# KiCad board 8851_HW-U1-VCU118_REV2-0_071417.kicad_pcb (continued)
## Routing (per net, layer and track width the routed paths; a pad name or vN(x,y) marks a point on that pad's centre or on a via; arc(x,y) is an arc through that point) (continued)
  03_SIG1 w0.107: v2(127.2,84.49) 127.2,84.21 arc(127.17,84.13) 127.09,84.1 126.97,84.1 arc(126.92,84.11) 126.89,84.13 126.84,84.18 arc(127.02,84.3) 126.81,84.26 126.81,87.65 arc(126.79,87.83) 126.72,88 126.46,88.25 arc(126.95,88.57) 126.38,88.46
  03_SIG1 w0.15: 126.38,88.46 125.47,89.37 arc(125.26,89.68) 125.19,90.04 125.19,95.31 arc(125.28,95.54) 125.51,95.63 125.82,95.63 arc(126.22,95.79) 126.38,96.19 126.38,96.29 arc(126.19,96.75) 125.73,96.94 125.51,96.94 arc(125.73,97.49) 125.19,97.26 125.19,98.27 arc(125.31,98.86) 125.65,99.37 125.65,99.37 arc(125.8,99.59) 125.85,99.85 125.85,101.68 arc(125.8,101.94) 125.65,102.17 125.5,102.31 arc(125.25,102.48) 124.95,102.54 124.77,102.54 arc(124.64,102.56) 124.53,102.64 arc(125.81,103.49) 124.3,103.19 124.3,104.19 arc(124.11,104.65) 123.64,104.84 122.89,104.84 arc(123.21,105.16) 122.89,105.48 123.64,105.48 arc(124.12,105.68) 124.32,106.15 124.32,108.95 arc(124.12,109.43) 123.64,109.63 123.44,109.63 arc(123.66,110.14) 123.14,109.93 123.14,110.01 arc(123.22,110.19) 123.4,110.27 123.94,110.27 arc(124.6,110.92) 123.94,111.58 123.44,111.58 arc(123.66,112.1) 123.14,111.88 123.14,111.96 arc(123.22,112.14) 123.4,112.22 123.95,112.22 arc(124.61,112.87) 123.95,113.53 123.46,113.53 arc(123.69,114.07) 123.14,113.85 123.14,113.89 arc(123.22,114.09) 123.41,114.17 123.95,114.17 arc(124.61,114.82) 123.95,115.48 123.44,115.48 arc(123.65,115.99) 123.14,115.78 123.14,115.86 arc(123.21,116.04) 123.39,116.12 123.95,116.12 arc(124.61,116.77) 123.95,117.43 122.8,117.43 arc(122.95,117.77) 122.6,117.63 122.6,117.86 arc(122.66,118.01) 122.8,118.07 123.95,118.07 arc(124.61,118.72) 123.95,119.38 122.78,119.38 arc(122.94,119.76) 122.56,119.6 122.56,119.79 arc(122.63,119.95) 122.78,120.02 123.95,120.02 arc(124.61,120.67) 123.95,121.33 123.36,121.33 arc(123.61,121.93) 123.01,121.68 arc(123.1,121.88) 123.3,121.97 123.95,121.97 arc(124.61,122.62) 123.95,123.28 123.47,123.28 arc(123.68,123.79) 123.17,123.58 123.17,123.64 arc(123.25,123.83) 123.44,123.92 123.64,123.92 arc(124.11,124.11) 124.3,124.57 124.3,124.73 arc(124.21,125.19) 123.94,125.59 123.67,125.86 arc(123.52,126.09) 123.47,126.35 123.47,132.74 arc(123.31,133.52) 122.86,134.19 121.77,135.28 arc(123.65,136.54) 121.43,136.1 121.43,136.75 arc(121.32,137.33) 120.99,137.82 118.81,140 arc(122.15,142.24) 118.21,141.45 118.21,141.89 arc(118.08,142.51) 117.73,143.03 117.05,143.72 arc(116.16,144.32) 115.11,144.52 115,144.52 arc(114.69,144.59) 114.43,144.76 114.37,144.82 arc(115.86,145.82) 114.1,145.47 114.1,145.93 arc(113.98,146.51) 113.65,147.01 arc(112.71,147.64) 111.6,147.86 102.49,147.86 arc(102.06,147.94) 101.7,148.19 arc(100.82,148.77) 99.78,148.98 99.43,148.98 arc(98.97,148.79) 98.78,148.32 98.78,148.03 arc(98.72,147.89) 98.58,147.83 98.46,147.83 arc(98.68,148.38) 98.14,148.15 98.14,148.32 arc(97.48,148.98) 96.83,148.32 96.83,148.03 arc(96.77,147.89) 96.63,147.83 96.51,147.83 arc(96.73,148.38) 96.19,148.15 96.19,148.32 arc(95.53,148.98) 94.88,148.32 94.88,148.03 arc(94.82,147.89) 94.68,147.83 94.56,147.83 arc(94.78,148.38) 94.24,148.15 94.24,148.32 arc(94.05,148.79) 93.58,148.98 93.03,148.98 arc(92.85,149.01) 92.71,149.11 arc(91.33,150.03) 89.72,150.35 82.15,150.35 arc(81.56,150.47) 81.06,150.8 80.13,151.73 arc(79.89,152.09) 79.81,152.5 79.81,155.86 arc(79.61,156.36) 79.11,156.56 78.51,156.56 arc(78.13,156.41) 77.98,156.03 77.98,155.98 arc(77.91,155.82) v3(77.75,155.75)
FMCP_HSPC_DP1_C2M_P: length 215.9
  TOP w0.102: J22.A22 v3(79,155.75)
  TOP w0.113: v2(127.2,83.51) 126.71,83.01
  03_SIG1 w0.107: v2(127.2,83.51) 127.2,83.79 arc(127.17,83.87) 127.09,83.9 126.97,83.9 arc(126.85,83.92) 126.75,83.99 126.7,84.04 arc(127.2,84.37) 126.61,84.26 126.61,87.66 126.61,87.66 arc(126.6,87.77) 126.56,87.87 126.32,88.11 arc(126.23,88.17) 126.11,88.19
  03_SIG1 w0.15: 126.11,88.19 125.2,89.1 arc(124.92,89.53) 124.81,90.04 124.81,95.31 arc(125.02,95.8) 125.51,96.01 125.82,96.01 arc(125.95,96.06) 126.01,96.19 126.01,96.29 arc(125.93,96.49) 125.73,96.57 125.51,96.57 arc(126,97.75) 124.81,97.26 124.81,98.26 arc(128.68,98.26) 124.81,98.27 arc(124.96,99.01) 125.38,99.63 125.39,99.64 arc(125.45,99.73) 125.47,99.85 125.47,101.68 arc(125.45,101.8) 125.38,101.9 125.24,102.05 arc(125.11,102.13) 124.95,102.16 124.77,102.16 arc(124.5,102.22) 124.26,102.37 arc(126.16,103.64) 123.92,103.19 123.92,104.19 arc(123.84,104.39) 123.64,104.47 122.89,104.47 arc(123.59,105.16) 122.89,105.86 123.64,105.86 arc(123.86,105.94) 123.94,106.15 123.94,108.95 arc(123.86,109.16) 123.64,109.25 123.44,109.25 arc(123.92,110.4) 122.77,109.93 122.77,110.01 arc(122.95,110.46) 123.4,110.64 123.94,110.64 arc(124.22,110.92) 123.94,111.2 123.44,111.2 arc(123.92,112.36) 122.77,111.88 122.77,111.96 arc(122.95,112.41) 123.4,112.59 123.95,112.59 arc(124.23,112.87) 123.95,113.15 123.46,113.15 arc(123.95,114.34) 122.77,113.85 122.77,113.89 arc(122.96,114.35) 123.41,114.54 123.95,114.54 arc(124.23,114.82) 123.95,115.1 123.44,115.1 arc(123.92,116.25) 122.77,115.78 122.77,115.86 arc(122.95,116.31) 123.39,116.49 123.95,116.49 arc(124.23,116.77) 123.95,117.05 122.8,117.05 arc(123.21,118.04) 122.23,117.63 122.23,117.86 arc(122.4,118.27) 122.8,118.44 123.95,118.44 arc(124.23,118.72) 123.95,119 122.78,119 arc(123.21,120.02) 122.19,119.6 122.19,119.79 arc(122.36,120.22) 122.78,120.39 123.95,120.39 arc(124.23,120.67) 123.95,120.95 123.36,120.95 arc(123.88,122.19) 122.64,121.68 arc(122.83,122.15) 123.3,122.34 123.95,122.34 arc(124.23,122.62) 123.95,122.9 123.47,122.9 arc(123.95,124.05) 122.8,123.58 122.8,123.64 arc(122.99,124.1) 123.44,124.29 123.64,124.29 arc(123.84,124.37) 123.92,124.57 123.92,124.72 arc(123.86,125.05) 123.68,125.32 123.4,125.6 arc(125.14,126.76) 123.09,126.35 123.09,132.74 arc(122.96,133.38) 122.6,133.93 121.51,135.02 arc(121.18,135.51) 121.06,136.1 121.06,136.75 arc(120.97,137.19) 120.73,137.56 118.54,139.74 arc(122.5,142.38) 117.83,141.45 117.83,141.89 arc(117.74,142.37) 117.47,142.77 116.78,143.46 arc(116.01,143.97) 115.11,144.15 115,144.15 arc(114.55,144.24) 114.16,144.5 114.1,144.56 arc(116.21,145.97) 113.72,145.47 113.72,145.93 arc(113.64,146.37) 113.39,146.74 arc(112.57,147.29) 111.6,147.48 102.49,147.48 arc(101.92,147.6) 101.43,147.92 arc(100.67,148.43) 99.78,148.61 99.43,148.61 arc(99.23,148.52) 99.15,148.32 99.15,148.03 arc(98.98,147.63) 98.58,147.46 98.46,147.46 arc(98.95,148.64) 97.76,148.15 97.76,148.32 arc(97.48,148.61) 97.2,148.32 97.2,148.03 arc(97.03,147.63) 96.63,147.46 96.51,147.46 arc(97,148.64) 95.81,148.15 95.81,148.32 arc(95.53,148.61) 95.25,148.32 95.25,148.03 arc(95.08,147.63) 94.68,147.46 94.56,147.46 arc(95.05,148.64) 93.86,148.15 93.86,148.32 arc(93.78,148.52) 93.58,148.61 93.03,148.61 arc(92.71,148.67) 92.44,148.85 arc(91.19,149.68) 89.72,149.98 82.15,149.98 arc(81.42,150.12) 80.8,150.53 80.65,150.69 arc(80.57,150.72) 80.5,150.69 arc(80.42,150.65) 80.35,150.69 80.07,150.96 arc(80.26,151.04) 80.07,151.11 80.07,151.11 arc(80.11,151.18) 80.07,151.26 79.87,151.47 arc(82.25,153.06) 79.44,152.5 79.44,155.86 arc(79.34,156.09) 79.11,156.19 78.51,156.19 arc(78.4,156.14) 78.35,156.03 78.35,155.96 arc(78.7,156.1) 78.55,155.75 v3(79,155.75)
FMCP_HSPC_DP1_M2C_N: length 144.7
  TOP w0.102: J22.A3 v3(102.75,155.75)
  TOP w0.113: v2(126.22,87.44) 125.73,86.95
  07_SIG3 w0.107: v2(126.22,87.44) 126.22,87.16 arc(126.19,87.08) 126.11,87.05 125.92,87.05 arc(125.99,87.23) 125.82,87.15 125.82,88.32 125.9,88.41 125.9,88.44
  07_SIG3 w0.15: 125.9,88.44 125.9,93.08 arc(125.97,93.63) 126.16,94.16 arc(126.37,94.51) 126.64,94.83 127.7,95.89 arc(128.16,96.57) 128.32,97.38 128.32,104.35 arc(128.46,104.69) 128.79,104.82 129.4,104.82 arc(129.59,104.74) 129.68,104.55 129.68,103.7 arc(130.57,104.07) 130.2,103.17 130.64,103.17 arc(131.01,103.33) 131.16,103.7 131.16,105.41 131.16,105.42 arc(131,105.92) 130.51,106.14 129.08,106.14 arc(129.4,106.46) 129.08,106.77 130.51,106.77 arc(131.17,107.43) 130.51,108.09 129.08,108.09 arc(128.96,108.11) 128.86,108.18 arc(129.37,108.29) 129.08,108.72 130.51,108.72 arc(131.17,109.38) 130.51,110.04 129.08,110.04 arc(128.95,110.07) 128.84,110.15 arc(135.81,114.81) 127.59,113.17 127.59,121.5 arc(127.56,121.87) 127.49,122.23 arc(127.2,122.93) 126.74,123.54 125.05,125.23 arc(124.73,125.7) 124.62,126.25 124.62,128.29 arc(125.43,130.24) 127.38,131.05 132.18,131.05 arc(134.68,132.09) 135.72,134.59 135.72,137.72 arc(135.57,138.46) 135.15,139.09 128.81,145.43 arc(128.67,145.56) 128.53,145.68 arc(127.63,146.17) 126.61,146.34 121.34,146.34 arc(121.1,146.39) 120.9,146.53 115.75,151.67 arc(115.42,152.17) 115.3,152.76 115.3,154.6 arc(115.14,155.41) 114.69,156.09 arc(114.15,156.44) 113.53,156.56 103.7,156.56 arc(103.34,156.41) 103.19,156.05 103.19,155.9 arc(103.14,155.8) 103.04,155.75 v3(102.75,155.75)
FMCP_HSPC_DP1_M2C_P: length 163.2
  TOP w0.102: v3(104,155.75) J22.A2
  TOP w0.113: v2(126.22,86.46) 125.73,85.97
  07_SIG3 w0.107: 125.53,88.44 125.53,88.41 125.62,88.32 125.62,87.15 arc(126.13,87.37) 125.92,86.85 126.11,86.85 arc(126.19,86.82) 126.22,86.74 v2(126.22,86.46)
  07_SIG3 w0.15: 125.53,88.44 125.53,93.08 arc(131.08,92.44) 125.82,94.33 arc(126.07,94.73) 126.37,95.09 127.44,96.16 arc(127.81,96.72) 127.94,97.38 127.94,104.35 arc(128.19,104.95) 128.79,105.2 129.4,105.2 arc(129.86,105.01) 130.05,104.55 130.05,103.7 arc(130.31,103.81) 130.2,103.55 130.64,103.55 arc(130.75,103.59) 130.79,103.7 130.79,105.45 arc(130.72,105.67) 130.51,105.76 129.08,105.76 arc(129.77,106.46) 129.08,107.15 130.51,107.15 arc(130.79,107.43) 130.51,107.71 129.08,107.71 arc(128.82,107.76) 128.6,107.9 arc(129.72,108.15) 129.08,109.1 130.51,109.1 arc(130.79,109.38) 130.51,109.66 129.1,109.66 arc(128.81,109.72) 128.57,109.88 arc(136.16,114.95) 127.21,113.17 127.21,121.5 arc(127.19,121.82) 127.13,122.14 arc(126.88,122.75) 126.48,123.27 124.78,124.97 arc(124.39,125.56) 124.25,126.25 124.25,128.29 arc(125.17,130.51) 127.38,131.42 132.18,131.42 arc(134.41,132.35) 135.34,134.59 135.34,137.72 arc(135.22,138.32) 134.88,138.83 128.54,145.17 arc(128.42,145.28) 128.3,145.38 arc(127.5,145.82) 126.61,145.97 121.34,145.97 arc(120.95,146.04) 120.63,146.26 115.48,151.41 arc(115.07,152.03) 114.92,152.76 114.92,154.6 arc(114.79,155.26) 114.42,155.82 arc(114.01,156.09) 113.53,156.19 108.34,156.19 arc(108.18,156.13) 108.12,155.97 arc(108.07,155.85) 107.95,155.8 107.73,155.8 arc(107.85,156.09) 107.56,155.97 arc(107.49,156.13) 107.34,156.19 107.21,156.19 arc(107.06,156.13) 107,155.97 arc(106.94,155.85) 106.82,155.8 106.61,155.8 arc(106.73,156.09) 106.43,155.97 arc(106.37,156.13) 106.22,156.19 103.7,156.19 arc(103.6,156.15) 103.56,156.05 103.56,155.9 arc(103.82,156.01) 103.71,155.75 v3(104,155.75)
FMCP_HSPC_DP2_C2M_N: length 156.4
  TOP w0.102: J22.A27 v3(72.75,155.75)
  TOP w0.113: v2(125.23,84.49) 124.74,84
  03_SIG1 w0.107: v2(125.23,84.49) 124.69,83.95 arc(124.65,83.89) 124.64,83.82 124.64,83.35 arc(125.45,83.51) 124.76,83.06 124.78,83.04 arc(124.92,82.95) 125.08,82.91 127.36,82.91 arc(127.52,82.95) 127.65,83.04 127.67,83.06 arc(127.76,83.19) 127.79,83.35 127.79,88.67 arc(128.37,88.55) 127.88,88.88
  03_SIG1 w0.15: v3(72.75,155.75) 72.96,155.75 arc(73.12,155.82) 73.19,155.98 73.19,158.35 arc(73.4,158.86) 73.9,159.06 80.33,159.06 arc(80.85,158.85) 81.06,158.34 81.06,152.68 arc(81.1,152.47) 81.22,152.3 81.77,151.75 arc(82.02,151.58) 82.32,151.52 90.98,151.52 arc(92.18,151.28) 93.21,150.6 arc(93.69,150.28) 94.26,150.16 99.96,150.16 arc(101.24,149.91) 102.32,149.19 arc(102.5,149.07) 102.71,149.03 112.43,149.03 arc(113.31,148.85) 114.05,148.35 118.61,143.8 arc(119.16,142.96) 119.36,141.98 arc(119.51,141.21) 119.95,140.56 120.03,140.48 120.91,139.6 arc(121.06,139.5) 121.23,139.47 121.73,139.47 arc(122.36,139.2) 122.62,138.58 122.62,136.73 arc(124.13,137.03) 122.85,136.17 arc(123.1,136) 123.39,135.94 124.18,135.94 arc(124.46,135.89) 124.7,135.73 arc(124.86,135.48) 124.92,135.19 124.92,126.67 arc(125.72,126.83) 125.04,126.38 125.46,125.97 arc(125.68,125.63) 125.76,125.24 125.76,125 arc(126.3,125.23) 126.08,124.68 126.9,124.68 arc(127.55,124.03) 126.9,123.37 126.08,123.37 arc(125.85,123.28) 125.76,123.05 125.76,108.52 arc(126.3,108.75) 126.08,108.2 127.05,108.2 arc(127.7,107.55) 127.05,106.89 125.89,106.89 arc(126.21,106.57) 125.89,106.25 127.04,106.25 arc(127.7,105.6) 127.04,104.94 125.87,104.94 arc(125.61,104.83) 125.5,104.57 125.5,103.97 arc(126.07,104.2) 125.84,103.63 126.08,103.63 arc(126.77,103.35) 127.05,102.66 127.05,99.52 arc(127.14,99.08) 127.38,98.71 arc(127.55,98.46) 127.61,98.17 127.61,95.94 arc(127.54,95.58) 127.33,95.28 127.13,95.07 arc(127.04,94.95) 127.02,94.81 127.02,90.57 arc(128.71,90.91) 127.27,89.95 127.56,89.67 arc(127.8,89.31) 127.88,88.88
FMCP_HSPC_DP2_C2M_P: length 169
  TOP w0.102: J22.A26 v3(74,155.75)
  TOP w0.113: v2(125.23,83.51) 124.74,83.01
  03_SIG1 w0.107: v2(125.23,83.51) 125.23,83.79 arc(125.18,83.91) 125.06,83.96 arc(124.99,83.94) 124.93,83.9 124.91,83.88 arc(124.86,83.8) 124.84,83.72 124.84,83.35 arc(125.26,83.44) 124.91,83.2 124.92,83.18 arc(124.99,83.13) 125.08,83.11 127.36,83.11 arc(127.44,83.13) 127.51,83.18 127.53,83.2 arc(127.58,83.27) 127.59,83.35 127.59,88.67 arc(127.57,88.78) 127.51,88.88
  03_SIG1 w0.15: v3(74,155.75) 73.69,155.75 arc(73.79,155.98) 73.56,155.88 73.56,158.35 arc(73.66,158.59) 73.9,158.69 80.33,158.69 arc(80.58,158.59) 80.69,158.34 80.69,152.68 arc(80.76,152.33) 80.95,152.04 81.51,151.48 arc(81.88,151.23) 82.32,151.15 90.98,151.15 arc(92.04,150.94) 92.94,150.33 arc(93.55,149.93) 94.26,149.79 99.96,149.79 arc(101.09,149.56) 102.05,148.92 arc(102.35,148.72) 102.71,148.65 112.43,148.65 arc(113.16,148.51) 113.78,148.09 118.34,143.53 arc(118.82,142.82) 118.98,141.98 arc(119.16,141.07) 119.68,140.3 120.19,139.79 120.64,139.33 arc(120.91,139.15) 121.23,139.09 121.73,139.09 arc(122.09,138.94) 122.24,138.58 122.24,136.73 arc(124.48,137.17) 122.58,135.9 arc(122.95,135.66) 123.39,135.57 124.18,135.57 arc(124.31,135.54) 124.43,135.46 arc(124.52,135.34) 124.55,135.19 124.55,126.67 arc(126.06,126.98) 124.78,126.12 125.19,125.7 arc(125.33,125.49) 125.38,125.24 125.38,125 arc(126.57,125.49) 126.08,124.31 126.9,124.31 arc(127.18,124.03) 126.9,123.75 126.08,123.75 arc(125.59,123.54) 125.38,123.05 125.38,108.52 arc(126.57,109.01) 126.08,107.83 127.05,107.83 arc(127.33,107.55) 127.05,107.26 125.89,107.26 arc(126.58,106.57) 125.89,105.88 127.04,105.88 arc(127.33,105.6) 127.04,105.31 125.87,105.31 arc(125.35,105.1) 125.13,104.57 125.13,103.97 arc(126.34,104.47) 125.84,103.26 126.08,103.26 arc(126.5,103.08) 126.67,102.66 126.67,99.52 arc(126.79,98.94) 127.12,98.45 arc(127.2,98.32) 127.23,98.17 127.23,95.94 arc(127.19,95.73) 127.07,95.55 126.86,95.34 arc(128.08,94.52) 126.64,94.81 126.64,94.72 arc(126.64,94.68) 126.63,94.65 arc(126.55,94.53) 126.41,94.48 126.36,94.48 arc(126.19,94.41) 126.12,94.25 126.12,94.15 arc(126.52,94.32) 126.36,93.92 126.41,93.92 arc(126.55,93.87) 126.63,93.74 arc(126.64,93.71) 126.64,93.68 126.64,93.59 arc(126.57,93.43) 126.41,93.36 126.34,93.36 arc(126.18,93.29) 126.11,93.13 126.11,93.03 arc(126.52,93.2) 126.35,92.79 126.41,92.79 arc(126.55,92.74) 126.64,92.61 arc(126.64,92.58) 126.64,92.56 126.64,92.47 arc(126.57,92.3) 126.41,92.23 arc(126.24,92.16) 126.17,92 126.17,91.9 arc(126.57,92.07) 126.41,91.67 arc(126.57,91.6) 126.64,91.43 126.64,90.57 arc(129.05,91.05) 127.01,89.68 127.29,89.4 arc(127.45,89.16) 127.51,88.88
FMCP_HSPC_DP2_M2C_N: length 185.2
  TOP w0.102: J22.A7 v3(97.75,155.75)
  TOP w0.113: v2(124.25,87.44) 123.76,86.95
  05_SIG2 w0.107: v2(124.25,87.44) 124.25,87.16 arc(124.43,87.24) 124.36,87.05 124.52,87.05 arc(124.61,87.09) 124.65,87.18 124.65,87.8 arc(124.59,88.09) 124.43,88.34 124.05,88.72 arc(125.11,89.42) 123.86,89.18 123.86,89.31 arc(123.84,89.43) 123.77,89.52
  05_SIG2 w0.15: v3(97.75,155.75) 98.04,155.75 arc(98.14,155.71) 98.19,155.6 98.19,154.45 arc(99.47,154.99) 98.94,153.7 99.15,153.7 arc(99.36,153.62) 99.45,153.41 99.45,152.68 arc(101.33,153.46) 100.55,151.58 103.45,151.58 arc(103.72,151.52) 103.95,151.37 111.26,144.06 arc(111.71,143.87) 112.17,144.06 113.48,145.37 arc(113.68,145.45) 113.88,145.37 arc(113.96,145.17) 113.88,144.97 112.47,143.57 arc(113.9,142.98) 112.47,142.38 112.97,141.88 arc(113.46,141.68) 113.95,141.88 114.51,142.44 arc(114.7,142.52) 114.9,142.44 arc(114.99,142.24) 114.9,142.04 114.55,141.69 arc(116.22,140.58) 114.26,140.97 114.26,139.34 arc(115.89,139.66) 114.5,138.74 114.62,138.62 arc(114.89,138.44) 115.2,138.38 115.37,138.38 arc(116.17,138.71) 116.5,139.51 116.5,141.68 arc(116.52,141.78) 116.58,141.86 116.58,141.87 arc(116.95,142.02) 117.33,141.87 arc(117.45,141.68) 117.5,141.45 117.5,139.66 arc(117.62,139.04) 117.97,138.51 119.3,137.18 arc(119.72,136.55) 119.87,135.81 119.87,133.93 arc(119.79,133.73) 119.59,133.65 118.7,133.65 arc(119.4,132.95) 118.7,132.26 119.59,132.26 arc(119.79,132.18) 119.87,131.98 119.87,131.04 arc(129.86,133.03) 121.39,127.37 123.92,124.84 arc(124.24,124.28) 124.22,123.63 arc(124.1,123.36) 123.92,123.13 arc(123.08,122.78) 122.23,123.13 122.23,123.14 arc(124.27,124.5) 121.86,124.02 121.86,125.58 arc(121.8,125.9) 121.62,126.16 arc(120.9,126.46) 120.17,126.16 arc(121.84,125.05) 119.87,125.44 119.87,122.1 arc(121.06,122.59) 120.57,121.4 121.52,121.4 arc(121.8,121.12) 121.52,120.84 120.57,120.84 arc(121.26,120.15) 120.57,119.45 121.18,119.45 arc(121.46,119.17) 121.18,118.89 arc(120.5,118.61) 120.22,117.93 120.22,110.58 arc(121.54,111.13) 121,109.81 121.47,109.81 arc(121.81,109.47) 121.47,109.13 120.97,109.13 arc(120.44,108.91) 120.22,108.38 120.22,106.1 arc(122.06,106.87) 121.3,105.02 121.69,105.02 arc(121.89,104.98) 122.05,104.87 122.49,104.43 arc(122.64,104.21) 122.69,103.95 122.69,92.58 arc(122.82,91.96) 123.17,91.44 123.41,91.2 arc(123.68,90.79) 123.77,90.31 123.77,89.52
FMCP_HSPC_DP2_M2C_P: length 170.7
  TOP w0.102: J22.A6 v3(99,155.75)
  TOP w0.113: v2(124.25,86.46) 123.76,85.97
  05_SIG2 w0.107: v2(124.25,86.46) 124.25,86.59 arc(124.33,86.78) 124.51,86.85 124.52,86.85 arc(124.75,86.95) 124.85,87.18 124.85,87.8 arc(124.78,88.17) 124.57,88.48 124.19,88.86 arc(124.92,89.35) 124.06,89.18 124.06,89.31 arc(124.63,89.2) 124.15,89.52
  05_SIG2 w0.15: 124.15,89.52 124.15,90.31 arc(124.02,90.94) 123.67,91.46 123.43,91.7 arc(123.16,92.11) 123.07,92.58 123.07,103.95 arc(122.99,104.35) 122.76,104.7 122.32,105.14 arc(122.03,105.33) 121.69,105.4 121.3,105.4 arc(121.8,106.6) 120.59,106.1 120.59,108.38 arc(120.7,108.64) 120.97,108.76 121.47,108.76 arc(122.19,109.47) 121.47,110.18 121,110.18 arc(121.28,110.86) 120.6,110.58 120.6,117.93 arc(120.77,118.34) 121.18,118.51 arc(121.84,119.17) 121.18,119.83 120.57,119.83 arc(120.88,120.15) 120.57,120.46 121.52,120.46 arc(122.17,121.12) 121.52,121.78 120.57,121.78 arc(120.79,122.32) 120.25,122.1 120.25,125.44 arc(120.3,125.69) 120.44,125.9 arc(120.9,126.09) 121.36,125.9 arc(121.45,125.75) 121.49,125.58 121.49,124.02 arc(124.61,124.64) 121.96,122.87 121.97,122.87 arc(123.08,122.41) 124.18,122.87 arc(124.42,123.17) 124.58,123.52 arc(124.6,124.36) 124.18,125.11 121.66,127.63 arc(129.52,132.88) 120.25,131.04 120.25,131.98 arc(120.06,132.44) 119.59,132.63 118.7,132.63 arc(119.02,132.95) 118.7,133.27 119.59,133.27 arc(120.06,133.46) 120.25,133.93 120.25,135.81 arc(120.07,136.69) 119.57,137.45 118.24,138.77 arc(117.97,139.18) 117.87,139.66 117.87,141.45 arc(117.8,141.82) 117.59,142.13 arc(116.95,142.4) 116.32,142.13 116.31,142.13 arc(117.35,141.43) 116.13,141.68 116.13,139.51 arc(115.9,138.98) 115.37,138.76 115.2,138.76 arc(115.03,138.79) 114.89,138.89 114.77,139 arc(114.67,139.16) 114.63,139.34 114.63,140.97 arc(115.87,140.72) 114.82,141.42 115.17,141.77 arc(115.36,142.24) 115.17,142.7 115.17,142.7 arc(114.7,142.89) 114.24,142.7 113.69,142.15 arc(113.46,142.05) 113.24,142.15 112.74,142.65 arc(113.53,142.98) 112.74,143.3 114.14,144.71 arc(114.33,145.17) 114.14,145.64 arc(113.68,145.83) 113.21,145.64 111.9,144.33 arc(111.71,144.25) 111.52,144.33 104.21,151.64 arc(103.86,151.87) 103.45,151.95 100.55,151.95 arc(101.07,153.2) 99.83,152.68 99.83,153.41 arc(99.63,153.88) 99.15,154.08 98.94,154.08 arc(99.21,154.72) 98.56,154.45 98.56,155.09 arc(98.6,155.3) 98.72,155.47 v3(99,155.75)
FMCP_HSPC_DP3_C2M_N: length 185.6
  TOP w0.102: J22.A31 v3(67.75,155.75)
  TOP w0.113: v2(124.25,82.52) 123.76,82.03
  03_SIG1 w0.107: v2(124.25,82.52) 124.25,82.24 arc(124.43,82.31) 124.36,82.13 128.26,82.13 arc(128.34,82.15) 128.41,82.19 128.51,82.29 arc(128.56,82.37) 128.58,82.45 128.58,88.71 arc(128.56,88.83) 128.49,88.93
  03_SIG1 w0.15: v3(67.75,155.75) 68.26,155.75 arc(68.36,155.71) 68.4,155.61 68.4,155.47 arc(68.36,155.36) 68.25,155.31 67.63,155.31 arc(67.85,155.85) 67.31,155.63 67.31,159.65 arc(67.4,159.85) 67.6,159.94 81.65,159.94 arc(81.85,159.86) 81.94,159.65 81.94,153.12 arc(83.33,153.7) 82.75,152.31 91.85,152.31 arc(92.74,152.13) 93.5,151.62 arc(94.16,151.18) 94.93,151.03 101.18,151.03 arc(101.52,150.96) 101.8,150.77 arc(102.82,150.09) 104.03,149.85 112.88,149.85 arc(113.64,149.7) 114.3,149.26 117.97,145.59 119.97,143.59 arc(120.21,143.23) 120.29,142.81 120.29,142 arc(123.32,142.6) 120.75,140.89 121.23,140.41 arc(121.41,140.29) 121.63,140.24 122.78,140.24 arc(123.32,140.13) 123.78,139.82 124.9,138.71 arc(125.78,137.39) 126.09,135.83 126.09,129.51 arc(128.96,130.08) 126.53,128.46 arc(126.56,128.42) 126.59,128.38 arc(126.67,128.23) 126.69,128.06 126.69,127.24 arc(128.69,127.64) 127,126.51 128.28,125.22 arc(128.41,125.03) 128.46,124.8 128.46,124.07 arc(128.35,123.54) 128.05,123.09 127.6,122.64 arc(131.43,120.09) 126.92,120.99 126.92,112.27 arc(127.06,111.56) 127.46,110.96 127.66,110.76 arc(128.27,109.84) 128.49,108.75 128.49,105.04 arc(128.4,104.6) 128.15,104.22 arc(127.94,103.9) 127.86,103.53 127.86,99.83 arc(129.52,100.16) 128.12,99.22 128.2,99.14 arc(128.41,98.81) 128.49,98.43 128.49,93.75 arc(128.4,93.54) 128.19,93.45 arc(127.98,93.37) 127.9,93.16 127.9,93.15 arc(128.4,93.36) 128.19,92.85 arc(128.4,92.77) 128.49,92.56 128.49,92.55 arc(128.4,92.34) 128.19,92.25 arc(127.98,92.17) 127.9,91.96 127.9,91.95 arc(128.4,92.16) 128.19,91.65 arc(128.4,91.57) 128.49,91.36 128.49,91.35 arc(128.4,91.14) 128.19,91.05 arc(127.98,90.97) 127.9,90.76 127.9,90.75 arc(128.4,90.96) 128.19,90.45 arc(128.4,90.37) 128.49,90.16 128.49,88.93
FMCP_HSPC_DP3_C2M_P: length 162.9
  TOP w0.102: J22.A30 v3(69,155.75)
  TOP w0.113: v2(124.25,81.54) 123.76,81.05
  03_SIG1 w0.107: v2(124.25,81.54) 124.61,81.9 arc(124.64,81.92) 124.69,81.93 128.26,81.93 arc(128.42,81.96) 128.55,82.05 128.65,82.15 arc(128.75,82.29) 128.78,82.45 128.78,88.71 arc(129.35,88.6) 128.87,88.93
  03_SIG1 w0.15: 128.87,88.93 128.87,98.43 arc(128.76,98.96) 128.46,99.4 128.38,99.49 arc(129.17,100.02) 128.24,99.83 128.24,103.53 arc(129.39,103.3) 128.41,103.95 arc(128.75,104.45) 128.87,105.04 128.87,108.75 arc(128.62,109.98) 127.92,111.03 127.72,111.22 arc(127.41,111.7) 127.29,112.27 127.29,120.99 arc(127.44,121.74) 127.87,122.38 128.06,122.57 128.32,122.83 arc(128.7,123.4) 128.83,124.07 128.83,124.8 arc(128.76,125.17) 128.55,125.49 127.26,126.77 arc(128.35,127.5) 127.07,127.24 127.07,128.06 arc(127.03,128.34) 126.9,128.59 126.9,128.62 126.79,128.73 arc(128.61,129.94) 126.47,129.51 126.47,135.83 arc(126.13,137.53) 125.17,138.97 124.05,140.09 arc(123.47,140.48) 122.78,140.62 121.63,140.62 arc(121.56,140.63) 121.49,140.67 121.02,141.15 arc(120.76,141.54) 120.66,142 120.66,142.81 arc(120.55,143.37) 120.23,143.85 116.88,147.21 114.56,149.53 arc(113.79,150.04) 112.88,150.22 104.03,150.22 arc(102.97,150.44) 102.07,151.04 arc(101.66,151.31) 101.18,151.41 94.93,151.41 arc(94.3,151.53) 93.77,151.88 arc(92.89,152.47) 91.85,152.68 82.75,152.68 arc(83.07,153.44) 82.31,153.12 82.31,159.65 arc(82.12,160.12) 81.65,160.31 67.6,160.31 arc(67.13,160.12) 66.94,159.65 66.94,155.63 arc(68.11,156.11) 67.63,154.94 68.25,154.94 arc(68.62,155.09) 68.78,155.47 68.78,155.53 arc(68.84,155.69) v3(69,155.75)
FMCP_HSPC_DP3_M2C_N: length 147.2
  TOP w0.102: J22.A11 v3(92.75,155.75)
  TOP w0.113: 121.79,86.95 v2(122.28,87.44)
  05_SIG2 w0.107: v2(122.28,87.44) 122.28,87.13 arc(122.47,87.2) 122.37,87.03 122.39,87.03 122.49,87.03 arc(122.62,87.08) 122.67,87.21 122.67,87.72 arc(122.64,87.91) 122.53,88.07 122.02,88.58 arc(121.93,88.64) 121.81,88.66
  05_SIG2 w0.15: v3(92.75,155.75) 93,155.75 arc(93.13,155.7) 93.19,155.56 93.19,154.45 arc(94.47,154.99) 93.94,153.7 94.15,153.7 arc(94.36,153.62) 94.45,153.41 94.45,152.9 arc(97.15,153.44) 94.86,151.91 95.83,150.94 arc(97.4,149.89) 99.25,149.53 arc(100.16,149.15) 100.53,148.24 100.53,146.9 arc(101.22,147.59) 101.92,146.9 101.92,150.14 arc(102.2,150.43) 102.48,150.14 102.48,146.9 arc(103.17,147.59) 103.87,146.9 103.87,148.02 arc(104.04,148.42) 104.44,148.59 arc(105.04,148.48) 105.54,148.14 106.04,147.64 arc(106.22,147.2) 106.04,146.76 105,145.72 arc(105.98,145.72) 105.98,144.74 107.24,146 arc(107.44,146.08) 107.65,146 arc(107.74,145.8) 107.65,145.6 106.39,144.33 arc(107.36,144.33) 107.36,143.36 108.65,144.66 arc(108.84,144.73) 109.02,144.66 arc(109.11,144.44) 109.02,144.23 107.76,142.96 arc(108.72,142.96) 108.72,142 109.85,143.13 arc(109.88,143.15) 109.91,143.18 arc(110.09,143.21) 110.24,143.13 arc(110.33,142.93) 110.24,142.73 109.12,141.6 arc(110.12,141.6) 110.12,140.6 110.9,141.39 111.02,141.39 arc(111.26,141.29) 111.37,141.05 111.37,140.44 arc(112.55,140.94) 112.06,139.75 112.66,139.75 arc(112.92,139.65) 113.03,139.39 113.03,137.73 arc(112.93,137.5) 112.7,137.4 112.3,137.4 arc(113.05,136.65) 112.3,135.9 112.87,135.9 arc(112.98,135.86) 113.03,135.75 113.03,135.18 arc(114.25,135.42) 113.21,134.73 115.15,132.8 arc(115.56,132.52) 116.05,132.42 116.48,132.42 arc(116.53,132.41) 116.58,132.38 118.22,130.74 arc(118.56,130.24) 118.68,129.64 118.68,128.49 arc(119.86,128.99) 119.37,127.8 119.44,127.8 arc(119.64,127.72) 119.73,127.52 119.73,127.35 arc(119.69,127.27) 119.61,127.24 119.37,127.24 arc(118.88,127.04) 118.68,126.54 118.68,118.02 arc(120.33,118.35) 118.93,117.42 arc(119,117.31) 119.03,117.18 119.03,104.94 arc(119.19,104.1) 119.67,103.39 120.57,102.49 arc(121.11,101.68) 121.3,100.72 121.3,89.71 arc(123.77,90.2) 121.68,88.8 121.81,88.66
